# Altium PCB FanSystem-V3.0.PcbDoc (part 2 of 2)
Units mil, origin at the board's own origin, x right, y up, seen from the top; angles counter-clockwise.
Board outline 2755.91 x 2755.91 mil, 2 copper layers (Top Layer, Bottom Layer); 93 components, 71 nets, 315 pads, 124 vias.
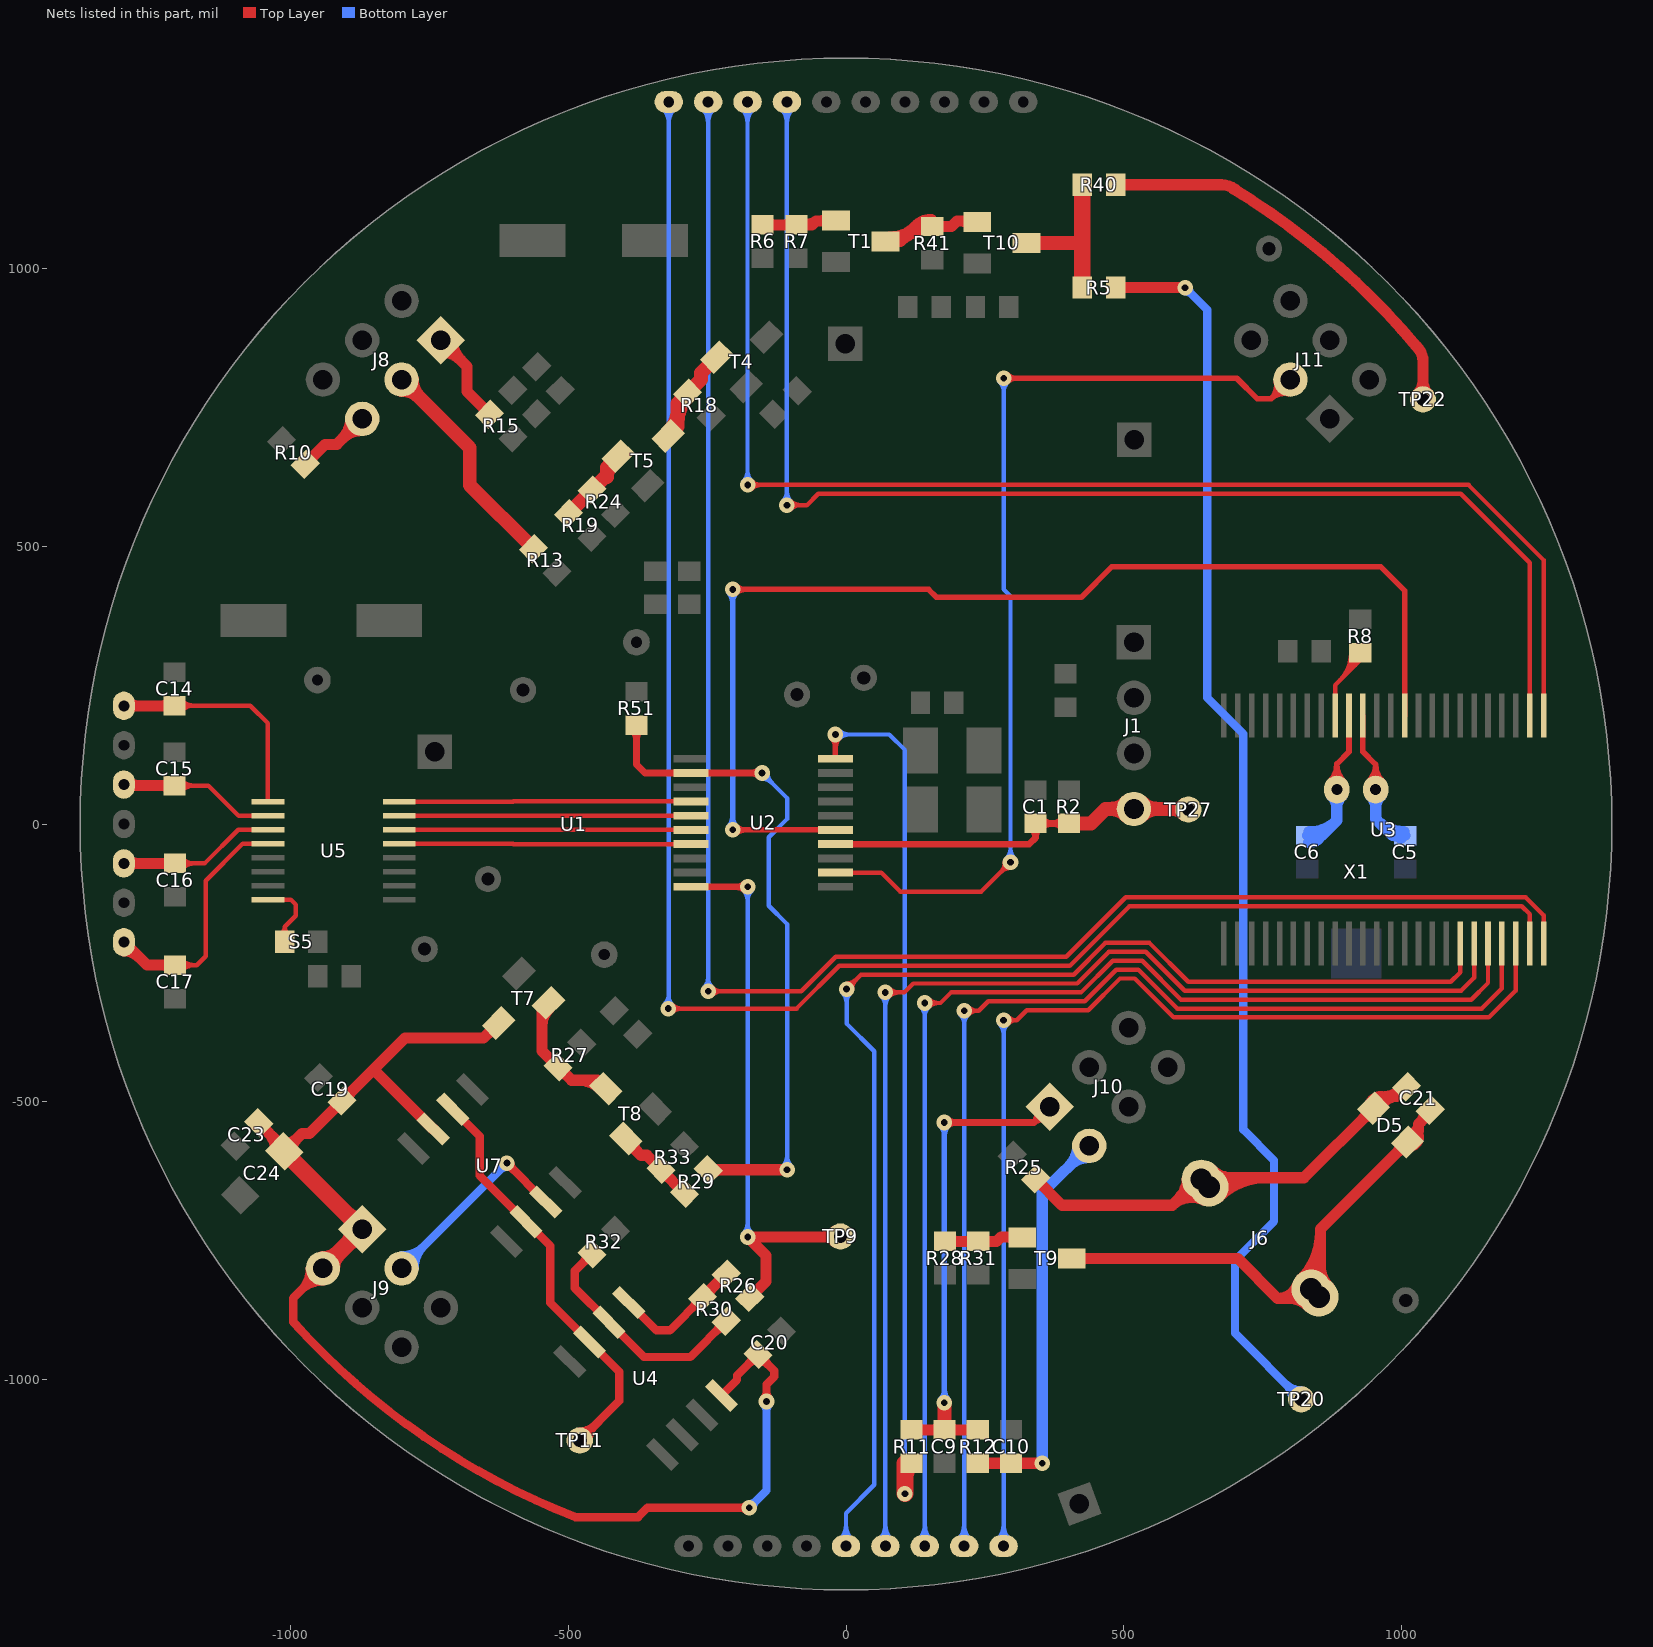
[diagram p2: the nets of this part, all layers, seen from the top]

## Via types
v1: diameter 28, hole 12, Top Layer to Bottom Layer, 124 vias

## Nets (pads, with @x,y where several pads share a name; then routed paths per layer and width w, separated by ;. In a path a pad name is that pad's centre, name@x,y a point inside that pad or via, vN(x,y) a via of type N, cw(c..) or ccw(c..) an arc to the next point about the centre after c; other vN are vias at no path point) (continued)
LCD_S6: U1.7 U3.2 | length 2531.9
  Top Layer w8: v1(-106.3,573.7) -70.3,573.7 -50,594 1106,594 1230,470 U3.2@1230,195 ; v1@-99.23,566.63 cw(c-82.16,549.56) -82.16,573.7 cw(c-82.16,597.84) v1@-99.23,580.77
  Bottom Layer w8: U1.7@-117.39,1288.12 cw(c-144.17,1261.35) -106.3,1261.35 cw(c-68.43,1261.35) U1.7@-95.21,1288.12 ; v1@-113.37,580.77 ccw(c-130.44,597.84) -106.3,597.84 ccw(c-82.16,597.84) v1@-99.23,580.77 ; v1(-106.3,573.7) U1.7@-106.3,1299.21
LCD_S7: U1.8 U3.1 | length 2592.5
  Top Layer w8: v1(-177,610) 1120,610 1255,475 U3.1@1255,195 ; v1@-169.93,602.93 cw(c-152.86,585.86) -152.86,610 cw(c-152.86,634.14) v1@-169.93,617.07
  Bottom Layer w8: U1.8@-188.26,1288.12 cw(c-215.03,1261.35) -177.17,1261.35 cw(c-139.3,1261.35) U1.8@-166.07,1288.12 ; v1@-184.07,617.07 ccw(c-200.74,633.74) -177.17,633.74 ; v1@-177.17,610 U1.8@-177.17,1299.21 ; -177.17,634.54 ccw(c-152.46,634.54) v1@-169.93,617.07
LCD_S8: U1.9 U3.48 | length 3372.6
  Top Layer w8: v1(-248.03,-301) -80.63,-301 -18.63,-239 396.24,-239 503.24,-132 1222.63,-132 1255,-164.37 U3.48@1255,-215 ; v1@-240.96,-308.07 cw(c-223.89,-325.14) -223.89,-301 cw(c-223.89,-276.86) v1@-240.96,-293.93
  Bottom Layer w8: U1.9@-259.12,1288.12 cw(c-285.9,1261.35) -248.03,1261.35 cw(c-210.16,1261.35) U1.9@-236.94,1288.12 ; v1@-255.1,-293.93 ccw(c-272.17,-276.86) -248.03,-276.86 ccw(c-223.89,-276.86) v1@-240.96,-293.93 ; v1(-248.03,-301) U1.9@-248.03,1299.21
LCD_S9: U1.10 U3.47 | length 3451.6
  Top Layer w8: v1(-320,-332) -89,-332 -12,-255 402.86,-255 509.86,-148 1216,-148 1230,-162 U3.47@1230,-215 ; v1@-312.93,-339.07 cw(c-295.86,-356.14) -295.86,-332 cw(c-295.86,-307.86) v1@-312.93,-324.93
  Bottom Layer w8: U1.10@-329.99,1288.12 cw(c-356.76,1261.35) -318.9,1261.35 cw(c-281.03,1261.35) U1.10@-307.81,1288.12 ; v1@-327.07,-324.93 ccw(c-346.8,-305.2) -318.9,-305.2 ; v1@-318.9,-332 U1.10@-318.9,1299.21 ; -318.9,-310.52 ccw(c-298.52,-310.52) v1@-312.93,-324.93
LCD_S10: U1.11 U3.46 | length 2166.3
  Top Layer w8: v1(283.46,-353) 307,-353 ; v1@290.66,-359.94 cw(c307,-375.69) 307,-353 ; v1@290.66,-346.06 ccw(c307,-330.31) 307,-353 ; U3.46@1205,-215 1205,-299.63 1156.63,-348 589.49,-348 519.49,-278 493,-278 436,-335 325,-335 307,-353
  Bottom Layer w8: U1.11@272.37,-1288.12 ccw(c245.6,-1261.35) 283.46,-1261.35 ccw(c321.33,-1261.35) U1.11@294.56,-1288.12 ; v1@276.39,-360.07 cw(c259.32,-377.14) 283.46,-377.14 cw(c307.61,-377.14) v1@290.54,-360.07 ; U1.11@283.46,-1299.21 v1(283.46,-353)
LCD_S11: U1.12 U3.45 | length 2221.5
  Top Layer w8: v1(212.6,-336) 239,-336 256,-319 429.37,-319 486.37,-262 526.12,-262 596.12,-332 1144,-332 1180,-296 U3.45@1180,-215 ; v1@219.67,-343.07 cw(c236.74,-360.14) 236.74,-336 cw(c236.74,-311.86) v1@219.67,-328.93
  Bottom Layer w8: U1.12@201.51,-1288.12 ccw(c174.73,-1261.35) 212.6,-1261.35 ccw(c250.47,-1261.35) U1.12@223.69,-1288.12 ; v1@205.53,-343.07 cw(c188.46,-360.14) 212.6,-360.14 cw(c236.74,-360.14) v1@219.67,-343.07 ; U1.12@212.6,-1299.21 v1(212.6,-336)
LCD_S12: U1.13 U3.44 | length 2269.7
  Top Layer w8: v1(141.73,-322) 170,-322 189,-303 422.75,-303 479.75,-246 532.75,-246 602.75,-316 1125,-316 1155,-286 U3.44@1155,-215 ; v1@148.8,-329.07 cw(c165.87,-346.14) 165.87,-322 cw(c165.87,-297.86) v1@148.8,-314.93
  Bottom Layer w8: U1.13@130.64,-1288.12 ccw(c103.87,-1261.35) 141.73,-1261.35 ccw(c179.6,-1261.35) U1.13@152.82,-1288.12 ; v1@134.66,-329.07 cw(c117.59,-346.14) 141.73,-346.14 cw(c165.87,-346.14) v1@148.8,-329.07 ; U1.13@141.73,-1299.21 v1(141.73,-322)
LCD_S13: U1.14 U3.43 | length 2321.2
  Top Layer w8: v1(70.87,-303) 105,-303 121,-287 416.12,-287 473.12,-230 539.37,-230 609.37,-300 1106.63,-300 1130,-276.63 U3.43@1130,-215 ; v1@77.94,-310.07 cw(c95.01,-327.14) 95.01,-303 cw(c95.01,-278.86) v1@77.94,-295.93
  Bottom Layer w8: U1.14@59.78,-1288.12 ccw(c33,-1261.35) 70.87,-1261.35 ccw(c108.73,-1261.35) U1.14@81.96,-1288.12 ; v1@63.8,-310.07 cw(c46.72,-327.14) 70.87,-327.14 cw(c95.01,-327.14) v1@77.94,-310.07 ; U1.14@70.87,-1299.21 v1(70.87,-303)
LCD_S14: U1.15 U3.42 | length 2405.8
  Top Layer w8: v1(1,-297) 27,-271 409.49,-271 466.49,-214 546,-214 616,-284 1088,-284 1105,-267 U3.42@1105,-215 ; v1@1,-287 ccw(c1,-262.86) 18.07,-279.93 ccw(c35.14,-297) v1@11,-297
  Bottom Layer w8: U1.15@-11.09,-1288.12 ccw(c-37.87,-1261.35) 0,-1261.35 ccw(c37.87,-1261.35) U1.15@11.09,-1288.12 ; v1@-6.07,-304.07 cw(c-23.14,-321.14) 1,-321.14 cw(c25.14,-321.14) v1@8.07,-304.07 ; U1.15@0,-1299.21 0,-1240 51,-1189 51,-409 1,-359 v1(1,-297)
LCD_WR: U2.5 U3.11 | length 2234.6
  Top Layer w10: v1(-204,-10.64) U2.5@-19,-10.64 ; v1(-204,422) 148.54,422 162.54,408 423.46,408 478.46,463 962,463 1005,420 U3.11@1005,195 ; v1@-197.64,-17 cw(c-182.27,-32.37) -182.27,-10.64 cw(c-182.27,11.09) v1@-197.64,-4.27 ; v1@-197.64,415.64 cw(c-182.27,400.27) -182.27,422 cw(c-182.27,443.73) v1@-197.64,428.36
  Bottom Layer w10: v1@-210.36,-4.27 ccw(c-225.73,11.09) -204,11.09 ccw(c-182.27,11.09) v1@-197.64,-4.27 ; v1@-210.36,415.64 cw(c-225.73,400.27) -204,400.27 cw(c-182.27,400.27) v1@-197.64,415.64 ; v1(-204,-10.64) v1(-204,422)
LED: J8.3 R13.1 | length 472.6
  Top Layer w25: J8.3@-799.64,781.14 cw(c-799.64,736.48) -768.06,768.06 cw(c-736.48,799.64) J8.3@-781.14,799.64 ; J8.3@-799.64,799.64 -677,677 -677,610 R13.1@-562.43,495.43
MG812_5V: C19.1 C20.1 C23.1 C24.A J9.1 J9.2 T7.D U4.8 U7.7 | length 3137.1
  Top Layer w15: -976.13,-915.96 cw(c0,0) -991.97,-898.78 ; J9.2@-964.57,-799.64 cw(c-1021.3,-799.64) -981.18,-839.76 cw(c-941.07,-879.88) J9.2@-941.07,-823.14 ; J9.2@-941.07,-799.64 -994.64,-853.22 -994.64,-896.1 -991.97,-898.78 ; U4.8@-223.97,-1028.03 -196,-1000.07 -196,-992 C20.1@-158.43,-954.43 -129,-983.85 -129,-994 -143,-1008 v1(-143,-1039) ; v1@-178.6,-1234.69 ccw(c-189.69,-1245.78) -189.69,-1230.09 ccw(c-189.69,-1214.4) v1@-178.6,-1225.5 ; v1(-174,-1230.09) -357,-1230.09 -373.87,-1246.96 -486.72,-1246.96 cw(c0,0) -991.97,-898.78 ; C20.1@-168.43,-954.43 cw(c-192.57,-954.43) -175.5,-971.5 cw(c-158.43,-988.57) C20.1@-158.43,-964.43 ; C20.1@-156.66,-966.19 cw(c-156.66,-990.34) -139.59,-973.27 cw(c-122.52,-956.19) C20.1@-146.66,-956.19 ; v1@-147.6,-1034.4 ccw(c-158.69,-1023.31) -143,-1023.31 ccw(c-127.31,-1023.31) v1@-138.4,-1034.4
  Top Layer w20: C23.1@-1056.57,-537.57 C24.A@-1011,-583.15 ; C23.1@-1054.81,-546.84 cw(c-1054.81,-564.95) -1042,-552.14 cw(c-1029.2,-539.34) C23.1@-1047.31,-539.34 ; -1039.78,-554.36 cw(c-1073.03,-587.61) C24.A@-1026.01,-587.61 ; C24.A@-1011,-589 -979,-557 -965.15,-557 C19.1@-906.57,-498.43 -793.15,-385 -652,-385 T7.D@-625,-358 ; C24.A@-1011,-575.38 ccw(c-1011,-542.49) -987.75,-565.75 ccw(c-964.49,-589) C24.A@-997.38,-589 ; C19.1@-915.84,-500.19 cw(c-933.95,-500.19) -921.14,-513 cw(c-908.34,-525.8) C19.1@-908.34,-507.69 ; C19.1@-904.81,-489.16 ccw(c-904.81,-471.05) -892,-483.86 ccw(c-879.2,-496.66) C19.1@-897.31,-496.66 ; -849.72,-441.57 U7.7@-742.68,-548.61 ; T7.D@-637.95,-362.95 cw(c-657.26,-362.95) -643.61,-376.61 cw(c-629.95,-390.26) T7.D@-629.95,-370.95
  Top Layer w30: C24.A@-1011,-589 -870.71,-729.29 J9.2@-941.07,-799.64 ; J9.2@-941.07,-783.64 ccw(c-941.07,-745.02) -913.75,-772.33 ccw(c-886.44,-799.64) J9.2@-925.07,-799.64 ; -898.88,-701.12 ccw(c-870.36,-672.59) J9.1@-870.36,-712.93 ; -897.17,-702.83 cw(c-923.27,-728.93) -886.36,-728.93 cw(c-924.98,-728.93) -897.67,-756.25 cw(c-870.36,-783.56) J9.1@-870.36,-744.93
  Bottom Layer w15: v1(-174,-1230.09) -143,-1199.09 v1(-143,-1039) ; v1@-174,-1223.59 ccw(c-174,-1207.9) -162.9,-1219 ccw(c-151.81,-1230.09) v1@-167.5,-1230.09 ; v1@-147.6,-1043.6 cw(c-158.69,-1054.69) -143,-1054.69 cw(c-127.31,-1054.69) v1@-138.4,-1043.6
MG812_ADC: R26.2 TP9.1 U2.20 | length 1218.8
  Top Layer w12: U2.20@-278.84,-113 v1(-177,-113) ; v1@-182.66,-118.66 ccw(c-196.31,-132.31) -196.31,-113 ccw(c-196.31,-93.69) v1@-182.66,-107.34
  Top Layer w20: R26.2@-173,-852 -144,-823 -144,-776 v1(-177,-743) TP9.1@-11,-743 ; R26.2@-171.23,-842.73 ccw(c-171.23,-824.63) -158.43,-837.43 ccw(c-145.63,-850.23) R26.2@-163.73,-850.23 ; -45.3,-743 ccw(c-45.3,-706.7) TP9.1@-19.63,-732.37 ; -40.47,-743 cw(c-40.47,-772.47) TP9.1@-19.63,-751.63
  Bottom Layer w8: v1@-184.07,-735.93 ccw(c-201.14,-718.86) -177,-718.86 ccw(c-152.86,-718.86) v1@-169.93,-735.93 ; v1@-184.07,-120.07 cw(c-201.14,-137.14) -177,-137.14 cw(c-152.86,-137.14) v1@-169.93,-120.07 ; v1(-177,-743) -177,-555 v1(-177,-113)
MG812_SIG: J9.3 U7.3 | length 505.6
  Top Layer w15: v1@-610.29,-610.29 U7.3@-540.29,-680.29 ; v1@-610,-616.5 cw(c-610,-630.8) -599.89,-620.69 ; v1@-603.5,-610 ccw(c-586.41,-610) -598.49,-622.08
  Bottom Layer w15: J9.3@-799.64,-799.64 v1(-610,-610) ; J9.3@-799.64,-776.14 ccw(c-799.64,-719.41) -759.53,-759.53 ccw(c-719.41,-799.64) J9.3@-776.14,-799.64 ; v1@-616.5,-610 cw(c-632.19,-610) -621.1,-621.1 cw(c-610,-632.19) v1@-610,-616.5
MG812_VDD_EN: R29.2 R51.1 U2.12 | length 1373.8
  Top Layer w12: R51.1@-385.13,169.87 cw(c-404.76,150.24) -377,150.24 cw(c-349.24,150.24) R51.1@-368.87,169.87 ; R51.1@-377,178 -377,107 -361.72,91.72 U2.12@-278.84,91.72 v1(-151,91.72) ; v1@-156.66,86.07 ccw(c-170.31,72.41) -170.31,91.72 ccw(c-170.31,111.04) v1@-156.66,97.38
  Top Layer w20: R29.2@-248,-622 v1(-106,-622) ; R29.2@-240.93,-629.07 cw(c-223.86,-646.14) R29.2@-223.86,-622
  Bottom Layer w8: v1@-151,81.72 cw(c-151,57.58) -133.93,74.65 cw(c-116.86,91.72) v1@-141,91.72 ; v1(-151,91.72) -106,46.72 -106,9 -139,-24 -139,-147 -106,-180 v1(-106,-622) ; v1@-113.07,-614.93 ccw(c-130.14,-597.86) -106,-597.86 ccw(c-81.86,-597.86) v1@-98.93,-614.93
MOTOR_DAC_OUT: C10.2 J10.2 R12.2 | length 887
  Top Layer w20: R12.2@237,-1150 v1(353,-1150) ; R12.2@244.8,-1155.3 cw(c257.61,-1168.11) 257.61,-1150 cw(c257.61,-1131.89) R12.2@244.8,-1144.7 ; C10.2@289.2,-1155.3 ccw(c276.39,-1168.11) 276.39,-1150 ccw(c276.39,-1131.89) C10.2@289.2,-1144.7 ; C10.2@304.8,-1155.3 cw(c317.61,-1168.11) 317.61,-1150 cw(c317.61,-1131.89) C10.2@304.8,-1144.7
  Bottom Layer w20: v1(353,-1150) 353,-663.71 J10.2@437.64,-579.07 ; J10.2@416.64,-579.07 cw(c365.95,-579.07) 401.8,-614.92 cw(c437.64,-650.76) J10.2@437.64,-600.07
MOTOR_PWM: R11.1 U2.10 | length 1713.5
  Top Layer w10: v1@-25.36,154.64 cw(c-40.73,139.27) -19,139.27 cw(c2.73,139.27) v1@-12.64,154.64 ; U2.10@-19,117.31 v1(-19,161)
  Top Layer w30: v1(106,-1205) R11.1@106,-1150 ; 106,-1178.97 cw(c144.47,-1178.97) R11.1@117.27,-1151.77
  Bottom Layer w8: v1(-19,161) 78,161 106,133 v1(106,-1205) ; v1@-11.93,153.93 cw(c5.14,136.86) 5.14,161 cw(c5.14,185.14) v1@-11.93,168.07 ; v1@98.93,-1197.93 ccw(c81.86,-1180.86) 106,-1180.86 ccw(c130.14,-1180.86) v1@113.07,-1197.93
MOTOR_PWM_OUT: C9.2 J10.1 R11.2 R12.1 | length 1131.1
  Top Layer w12: v1(177,-537) 338.29,-537 ; v1@182.66,-542.66 cw(c196.31,-556.31) 196.31,-537 cw(c196.31,-517.69) v1@182.66,-531.34 ; J10.1@343.21,-516.23 cw(c323.92,-522.63) 338.29,-537 ; J10.1@359.06,-532.08 ccw(c352.66,-551.37) 338.29,-537 ; J10.1@366.93,-508.36 338.29,-537
  Top Layer w20: R11.2@118,-1090 C9.2@177,-1090 R12.1@237,-1090 ; R11.2@125.8,-1095.3 cw(c138.61,-1108.11) 138.61,-1090 cw(c138.61,-1071.89) R11.2@125.8,-1084.7 ; C9.2@169.2,-1095.3 ccw(c156.39,-1108.11) 156.39,-1090 ccw(c156.39,-1071.89) C9.2@169.2,-1084.7 ; C9.2@184.8,-1095.3 cw(c197.61,-1108.11) 197.61,-1090 cw(c197.61,-1071.89) C9.2@184.8,-1084.7 ; R12.1@229.2,-1095.3 ccw(c216.39,-1108.11) 216.39,-1090 ccw(c216.39,-1071.89) R12.1@229.2,-1084.7
  Top Layer w25: C9.2@177,-1090 v1(177,-1041)
  Bottom Layer w10: v1@170.64,-1034.64 ccw(c155.27,-1019.27) 177,-1019.27 ccw(c198.73,-1019.27) v1@183.36,-1034.64 ; v1@170.64,-543.36 cw(c155.27,-558.73) 177,-558.73 cw(c198.73,-558.73) v1@183.36,-543.36 ; v1(177,-1041) v1(177,-537)
NetC5_2: C5.2 U3.14 X1.1 | length 459
  Top Layer w10: U3.14@930,195 930,130 953,107 ; X1.1@940.37,76.82 ccw(c910.64,107) 953,107 ; X1.1@953,62 953,107 ; X1.1@965.63,76.82 cw(c995.36,107) 953,107
  Bottom Layer w20: X1.1@943.81,50.81 cw(c921.61,28.62) 953,28.62 cw(c984.38,28.62) X1.1@962.19,50.81 ; X1.1@953,62 953,9 983,-21 C5.2@1006,-21 ; 955.7,6.3 ccw(c1003.5,54.1) C5.2@1003.5,-13.5 ; C5.2@998.2,-26.3 ccw(c985.39,-39.11) 985.39,-21 ccw(c985.39,-2.89) C5.2@998.2,-15.7
NetC6_2: C6.2 U3.15 X1.2 | length 484.6
  Top Layer w10: X1.2@870.27,76.73 ccw(c839.54,107.46) 883,107.46 ccw(c926.46,107.46) X1.2@895.73,76.73 ; X1.2@883,62 883,108 905,130 U3.15@905,195
  Bottom Layer w20: C6.2@830,-21 856,-21 883,6 ; C6.2@831.95,-33.49 ccw(c833.06,-8.33) 850.86,-26.14 ; C6.2@832.83,-13.51 ccw(c835.75,53.24) 883,6 ; C6.2@837.8,-26.3 cw(c850.61,-39.11) 850.61,-21 cw(c850.61,-2.89) C6.2@837.8,-15.7 ; X1.2@873.81,50.81 cw(c851.61,28.62) 883,28.62 cw(c914.38,28.62) X1.2@892.19,50.81 ; X1.2@883,62 883,6
NetC21_1: C21.1 D5.K J6.1 R25.1 | length 1607.3
  Top Layer w20: R25.1@341.43,-645.93 cw(c341.43,-664.03) 354.23,-651.23 cw(c367.03,-638.43) R25.1@348.93,-638.43 ; R25.1@341.43,-638.43 389,-686 586.86,-686 ; 599.52,-673.5 cw(c633.3,-692.77) J6.1@650.7,-657.99 ; 599.73,-673.12 ccw(c565.82,-639.21) J6.1@613.78,-639.21 ; 607.07,-665.79 cw(c634.48,-693.2) J6.1@650.84,-658.06 ; J6.1@609.99,-655.15 cw(c642.76,-673.85) J6.1@659.65,-640.1 ; 613.36,-671.29 cw(c622.26,-705.61) J6.1@640.24,-675.05 ; J6.1@639.01,-664.64 ccw(c638.42,-737.55) 586.86,-686 ; J6.1@642.4,-676.19 ccw(c621.64,-720.78) 586.86,-686 ; J6.1@656.97,-656.97 cw(c706.57,-706.57) 706.57,-636.43 ; J6.1@657.2,-657.2 cw(c707.33,-707.33) 707.33,-636.43 ; J6.1@657.2,-621.23 ccw(c693.89,-584.53) 693.89,-636.43 ; J6.1@671.12,-671.12 cw(c754.86,-754.86) 754.86,-636.43 ; D5.K@937.44,-513.25 cw(c913.3,-513.25) 930.37,-530.32 cw(c947.44,-547.4) D5.K@947.44,-523.25 ; D5.K@941.41,-506.79 cw(c964.11,-513.74) 964.11,-490 ; D5.K@950.97,-499.72 ccw(c950.97,-475.58) 968.04,-492.65 ccw(c985.12,-509.72) D5.K@960.97,-509.72 ; D5.K@960.54,-512.64 cw(c991.15,-522.01) 991.15,-490 ; C21.1@999.31,-474.34 cw(c981.2,-474.34) 994,-487.14 cw(c1006.81,-499.95) C21.1@1006.81,-481.84 ; C21.1@999.99,-471.21 cw(c970.69,-457.76) 970.69,-490 ; C21.1@1008.57,-472.57 991.15,-490 ; 586.86,-686 636.43,-636.43 824.26,-636.43 D5.K@949.21,-511.49 970.69,-490 ; 970.69,-490 991.15,-490
NetC21_2: C21.2 D5.A J6.2 T9.3 | length 1489.1
  Top Layer w20: T9.3@406,-782 705,-782 776.57,-853.57 ; T9.3@418.66,-787.66 cw(c432.31,-801.31) 432.31,-782 cw(c432.31,-762.69) T9.3@418.66,-776.34 ; 782.67,-853.57 ccw(c782.67,-782.67) 832.8,-832.8 ccw(c782.67,-782.67) 853.57,-782.67 ; 796.11,-853.57 cw(c796.11,-905.47) J6.2@832.8,-868.77 ; 805.19,-853.57 ccw(c805.19,-825.27) J6.2@831.77,-835 ; J6.2@812.98,-828.13 cw(c776.57,-814.8) 776.57,-853.57 ; J6.2@818.88,-818.88 ccw(c735.14,-735.14) 853.57,-735.14 ; J6.2@833.03,-833.03 ccw(c783.43,-783.43) 853.57,-783.43 ; J6.2@853.57,-853.57 776.57,-853.57 ; J6.2@853.57,-835.26 853.57,-728.74 D5.A@1010.02,-572.3 1030,-552.31 1030,-540 ; 853.57,-796.11 ccw(c905.47,-796.11) J6.2@868.77,-832.8 ; D5.A@998.25,-574.06 cw(c974.11,-574.06) 991.18,-591.14 cw(c1008.25,-608.21) D5.A@1008.25,-584.06 ; D5.A@1011,-560.56 ccw(c1009.38,-540) 1030,-540 ; D5.A@1011.78,-560.53 ccw(c1011.78,-536.39) 1028.86,-553.46 ccw(c1045.93,-570.53) D5.A@1021.78,-570.53 ; D5.A@1012.57,-580.5 ccw(c1011.08,-561.64) D5.A@1030,-561.64 ; 1033.6,-536.4 ccw(c1013.97,-516.77) C21.2@1041.73,-516.77 ; C21.2@1051,-515 1051,-519 1030,-540
NetR5_1: R5.1 TP20.1 | length 2383.8
  Top Layer w20: R5.1@485,965 v1(610,965) ; R5.1@490.3,959.7 cw(c503.11,946.89) 503.11,965 cw(c503.11,983.11) R5.1@490.3,970.3
  Bottom Layer w15: v1@610,958.5 cw(c610,942.81) 621.1,953.9 cw(c632.19,965) v1@616.5,965 ; v1(610,965) 650,925 650,227 715,162 715,-550 770,-605 770,-715 700,-785 700,-916 TP20.1@819,-1035 ; TP20.1@802.88,-1035 ccw(c763.96,-1035) 791.48,-1007.48 ccw(c819,-979.96) TP20.1@819,-1018.88
NetR5_2: R5.2 R40.2 T10.D | length 285
  Top Layer w25: T10.D@325,1045 425,1045
  Top Layer w30: R5.2@425,965 425,1045 R40.2@425,1150
NetR6_2: R6.2 R7.2 T1.1 | length 268.9
  Top Layer w20: R6.2@-150,1078 R7.2@-89,1078 -61,1078 -54,1085 ; R6.2@-142.2,1072.7 cw(c-129.39,1059.89) -129.39,1078 cw(c-129.39,1096.11) R6.2@-142.2,1083.3 ; R7.2@-96.8,1072.7 ccw(c-109.61,1059.89) -109.61,1078 ccw(c-109.61,1096.11) R7.2@-96.8,1083.3 ; R7.2@-81.69,1083.76 ccw(c-68.53,1099.53) -54,1085 ; R7.2@-81.2,1072.7 cw(c-68.39,1059.89) -68.39,1078 cw(c-68.39,1096.11) R7.2@-81.2,1083.3 ; -46.73,1085 ccw(c-46.73,1107.73) T1.1@-30.66,1091.66 ; T1.1@-18,1086 -19,1085 -54,1085
NetR8_2: R8.2 U3.16 | length 251.1
  Top Layer w8: U3.16@880,195 880,250 925,295 R8.2@925,308 cw(c893.61,308) 915.81,285.81 ; 888.49,258.49 ccw(c838.99,308) R8.2@909,308 ; 902.15,272.15 ccw(c866.3,308) R8.2@917,308
NetR18_2: R18.2 T4.G T5.3 | length 300.7
  Top Layer w25: T5.3@-320,698 -303,715 -303,757 R18.2@-285,775 -285,776 -261,800 -261,811.74 T4.G@-232.8,839.94 ; T5.3@-318.94,706.84 ccw(c-357.42,745.32) -303,745.32 ; -303,721.97 cw(c-235.51,721.97) R18.2@-283.23,769.7 ; -303,750.28 cw(c-284.97,750.28) R18.2@-286.38,768.25
NetR19_1: R19.1 R24.2 T5.1 | length 200
  Top Layer w25: R19.1@-499.43,558.43 -499.43,558.57 R24.2@-457,601 -430,628 -430,641.74 T5.1@-409.8,661.94 ; -430,624.24 cw(c-399.28,624.24) T5.1@-412.4,652.02 ; -430,635.42 cw(c-413.92,635.42) T5.1@-414.54,651.49
NetR26_1: R26.1 R30.2 U4.1 | length 333.1
  Top Layer w15: U4.1@-391,-861 -341,-911 -317,-911 R30.2@-258,-852 ; R30.2@-269.77,-853.77 cw(c-293.91,-853.77) -276.84,-870.84 cw(c-259.77,-887.91) R30.2@-259.77,-863.77
  Top Layer w20: R30.2@-258,-852 -215.57,-809.57 R26.1@-215.43,-809.57 ; R30.2@-256.23,-842.73 ccw(c-256.23,-824.63) -243.43,-837.43 ccw(c-230.63,-850.23) R30.2@-248.73,-850.23 ; -230.25,-824.25 cw(c-217.19,-837.3) R26.1@-217.19,-818.84 ; -229.89,-823.89 ccw(c-242.45,-811.34) R26.1@-224.69,-811.34
NetR27_2: R27.2 T7.G T8.3 | length 366.7
  Top Layer w20: -547,-362.75 cw(c-504.29,-362.75) T7.G@-534.49,-332.54 ; T7.G@-535.2,-321.94 -547,-333.74 -547,-408 R27.2@-518,-437 -494,-461 -447,-461 T8.3@-432,-476 ; R27.2@-527.27,-435.23 ccw(c-545.37,-435.23) -532.57,-422.43 ccw(c-519.77,-409.63) R27.2@-519.77,-427.73 ; R27.2@-516.23,-446.27 cw(c-516.23,-464.37) -503.43,-451.57 cw(c-490.63,-438.77) R27.2@-508.73,-438.77 ; -480.53,-461 cw(c-480.53,-514.63) T8.3@-442.61,-476.71
NetR28_2: R28.2 R31.2 T9.1 | length 245.9
  Top Layer w20: R28.2@178,-751 R31.2@238,-751 271,-751 279,-743 316,-743 T9.1@317,-744 ; R28.2@185.8,-756.3 cw(c198.61,-769.11) 198.61,-751 cw(c198.61,-732.89) R28.2@185.8,-745.7 ; R31.2@230.2,-756.3 ccw(c217.39,-769.11) 217.39,-751 ccw(c217.39,-732.89) R31.2@230.2,-745.7 ; R31.2@245.8,-756.3 cw(c258.61,-769.11) 258.61,-751 cw(c258.61,-732.89) R31.2@245.8,-745.7 ; 288.27,-743 cw(c288.27,-765.73) T9.1@304.34,-749.66
NetR29_1: R29.1 R33.2 T8.1 | length 242.8
  Top Layer w20: T8.1@-395.94,-565.8 -395.94,-569.06 -369,-596 -358,-596 R33.2@-333,-621 -333,-621.85 R29.1@-290.43,-664.43 ; T8.1@-382.99,-570.75 ccw(c-355.8,-570.75) -375.03,-589.97 ; R33.2@-342.27,-619.23 ccw(c-360.37,-619.23) -347.57,-606.43 ccw(c-334.77,-593.63) R33.2@-334.77,-611.73 ; R33.2@-323.73,-622.77 ccw(c-303.57,-622.77) -317.83,-637.03 ; R29.1@-299.69,-662.66 ccw(c-317.8,-662.66) -305,-649.86 ccw(c-292.19,-637.05) R29.1@-292.19,-655.16
NetR30_1: R30.1 R32.2 U4.2 | length 501.1
  Top Layer w15: R32.2@-467,-773 cw(c-491.14,-773) -474.07,-790.07 cw(c-457,-807.14) R32.2@-457,-783 ; R32.2@-457,-773 -488,-804 -488,-834.71 U4.2@-426.36,-896.36 -363.71,-959 -280.15,-959 R30.1@-215.57,-894.43 ; R30.1@-227.34,-896.19 cw(c-251.48,-896.19) -234.41,-913.27 cw(c-217.34,-930.34) R30.1@-217.34,-906.19
NetR40_1: R40.1 TP22.1 | length 870.1
  Top Layer w20: R40.1@485,1150 675.7,1150 cw(c675.7,1108.43) 705.1,1137.82 ; R40.1@490.3,1144.7 cw(c503.11,1131.89) 503.11,1150 cw(c503.11,1168.11) R40.1@490.3,1155.3 ; 724.85,1125.35 ccw(c0,0) 705.1,1137.82 ; 1025.86,859.89 ccw(c0,0) 696.79,1142.93 cw(c0,0) 705.1,1137.82 ; 1026.98,858.55 cw(c0,0) 1027.09,858.42 cw(c1000.76,832.09) 1038,832.09 TP22.1@1038,764 ; TP22.1@1028.37,773.63 ccw(c1005.11,796.89) 1038,796.89 ccw(c1070.89,796.89) TP22.1@1047.63,773.63
NetR41_2: R41.2 T1.3 T10.G | length 427.9
  Top Layer w20: T1.3@71,1048 98,1048 ; T1.3@78.12,1056 ccw(c79.11,1120.88) 125,1075 ; T1.3@83.66,1042.34 cw(c97.31,1028.69) 97.31,1048 cw(c97.31,1067.31) T1.3@83.66,1053.66 ; 128.25,1078.25 cw(c150.77,1055.72) R41.2@153.62,1087.45 ; R41.2@147.2,1069.7 ccw(c134.39,1056.89) 134.39,1075 ccw(c134.39,1093.11) R41.2@147.2,1080.3 ; R41.2@151.83,1067.53 ccw(c145.8,1000.2) 98,1048 ; R41.2@162.8,1069.7 cw(c175.61,1056.89) 175.61,1075 cw(c175.61,1093.11) R41.2@162.8,1080.3 ; 204.86,1085 cw(c204.86,1058.86) T10.G@223.34,1077.34 ; T10.G@236,1083 234,1085 200,1085 190,1075 R41.2@155,1075 125,1075 ; 98,1048 125,1075
NetS5_2: S5.2 U5.8 | length 160
  Top Layer w8: U5.8@-1040,-136.38 -998.62,-136.38 -990,-145 -990,-165 -1010,-185 ; S5.2@-1017.21,-198.09 ccw(c-1025.48,-185) -1010,-185 ; S5.2@-1010,-212 -1010,-185 ; S5.2@-1002.79,-198.09 cw(c-994.52,-185) -1010,-185
NetTP11_1: TP11.1 U4.3 U7.2 U7.6 | length 810.3
  Top Layer w15: U7.6@-707.32,-513.26 -659,-561.58 -659,-632.29 U7.2@-575.64,-715.64 -532,-759.29 -532,-861.42 U4.3@-461.71,-931.71 -408,-985.42 -408,-1038 TP11.1@-479,-1109 ; TP11.1@-479,-1092.88 ccw(c-479,-1053.96) -451.48,-1081.48 ccw(c-423.96,-1109) TP11.1@-462.88,-1109
RESET: C1.2 J1.4 R2.1 TP27.1 U2.4 | length 984.5
  Top Layer w12: U2.4@-19,-36.23 329.77,-36.23 341,-25 ; C1.2@333.26,-7.51 cw(c317.36,-25) 341,-25 ; C1.2@348.74,-7.51 ccw(c364.64,-25) 341,-25 ; C1.2@351.63,-7.13 cw(c371.26,-26.76) 371.26,1 cw(c371.26,28.76) C1.2@351.63,9.13 ; R2.1@390.37,-7.13 ccw(c370.74,-26.76) 370.74,1 ccw(c370.74,28.76) R2.1@390.37,9.13 ; R2.1@401,1 C1.2@341,1 341,-25
  Top Layer w25: R2.1@401,1 441,1 467,27 J1.4@518,27 TP27.1@615,27 ; J1.4@504.92,13.92 ccw(c473.34,-17.66) 473.34,27 ccw(c473.34,71.66) J1.4@504.92,40.08 ; J1.4@531.08,13.92 cw(c562.66,-17.66) 562.66,27 cw(c562.66,71.66) J1.4@531.08,40.08 ; 586.73,27 cw(c586.73,-3.27) TP27.1@608.14,18.14 ; 591.56,27 ccw(c591.56,50.44) TP27.1@608.14,33.86
TOUCH_+: C14.2 U1.26 U5.1 | length 516.3
  Top Layer w8: C14.2@-1208,213 -1072,213 -1040,181 U5.1@-1040,40 ; C14.2@-1195.95,203.45 cw(c-1172.91,180.41) -1172.91,213 cw(c-1172.91,245.59) C14.2@-1195.95,222.55
  Top Layer w20: U1.26@-1299.21,212.6 C14.2@-1208.4,212.6 ; U1.26@-1292.36,205.75 cw(c-1275.83,189.22) -1275.83,212.6 cw(c-1275.83,235.98) U1.26@-1292.36,219.45 ; -1229.58,212.6 ccw(c-1229.58,232.08) C14.2@-1215.8,218.3
TOUCH_-: C16.2 U1.22 U5.3 | length 400.5
  Top Layer w8: C16.2@-1207,-71 -1154,-71 -1093.39,-10.39 U5.3@-1040,-10.39 ; C16.2@-1194.95,-80.55 cw(c-1171.91,-103.59) -1171.91,-71 cw(c-1171.91,-38.41) C16.2@-1194.95,-61.45
  Top Layer w20: U1.22@-1299.08,-71 C16.2@-1207,-71 ; U1.22@-1292.36,-77.71 cw(c-1276.15,-93.92) -1276.15,-71 ; U1.22@-1292.36,-64.02 ccw(c-1275.51,-47.16) -1275.51,-71 ; C16.2@-1214.8,-76.3 ccw(c-1227.61,-89.11) -1227.61,-71 ccw(c-1227.61,-52.89) C16.2@-1214.8,-65.7
TOUCH_MODE: C17.2 U1.20 U5.4 | length 555.7
  Top Layer w8: C17.2@-1207,-254 -1168,-254 -1152,-238 -1152,-102 -1085.59,-35.59 U5.4@-1040,-35.59 ; C17.2@-1194.95,-263.55 cw(c-1171.91,-286.59) -1171.91,-254 cw(c-1171.91,-221.41) C17.2@-1194.95,-244.45
  Top Layer w20: U1.20@-1299.21,-228.19 cw(c-1299.21,-265.83) -1272.6,-239.21 ; U1.20@-1299.21,-212.6 -1257.81,-254 C17.2@-1207,-254 ; C17.2@-1214.8,-259.3 ccw(c-1227.61,-272.11) -1227.61,-254 ccw(c-1227.61,-235.89) C17.2@-1214.8,-248.7
TOUCH_POWER: C15.2 U1.24 U5.2 | length 382.8
  Top Layer w8: C15.2@-1208,69 -1147,69 -1092.8,14.8 U5.2@-1040,14.8 ; C15.2@-1195.95,59.45 cw(c-1172.91,36.41) -1172.91,69 cw(c-1172.91,101.59) C15.2@-1195.95,78.55
  Top Layer w20: U1.24@-1297.35,69 C15.2@-1208,69 ; U1.24@-1292.36,77.71 ccw(c-1271.33,98.75) -1271.33,69 ; C15.2@-1215.8,63.7 ccw(c-1228.61,50.89) -1228.61,69 ccw(c-1228.61,87.11) C15.2@-1215.8,74.3
TTP224_OUT_0: U2.14 U5.16 | length 536.5
  Top Layer w8: U5.16@-803.78,40 -599,40 -598.46,40.54 U2.14@-278.84,40.54 ; U2.14@-305.46,38.42 ccw(c-310.58,33.3) -310.58,40.54 ccw(c-310.58,47.79) U2.14@-305.46,42.66
TTP224_OUT_1: U2.15 U5.15 | length 536.4
  Top Layer w8: U5.15@-803.78,14.8 -599,14.8 -598.85,14.95 U2.15@-278.84,14.95 ; U2.15@-305.46,12.83 ccw(c-310.58,7.71) -310.58,14.95 ccw(c-310.58,22.2) U2.15@-305.46,17.07
TTP224_OUT_2: U2.16 U5.14 | length 536.4
  Top Layer w8: U5.14@-803.78,-10.39 -599,-10.39 -598.76,-10.64 U2.16@-278.84,-10.64 ; U2.16@-305.46,-12.76 ccw(c-310.58,-17.88) -310.58,-10.64 ccw(c-310.58,-3.4) U2.16@-305.46,-8.52
TTP224_OUT_3: U2.17 U5.13 | length 536.6
  Top Layer w8: U5.13@-803.78,-35.59 -599,-35.59 -598.36,-36.23 U2.17@-278.84,-36.23 ; U2.17@-305.46,-38.35 ccw(c-310.58,-43.47) -310.58,-36.23 ccw(c-310.58,-28.99) U2.17@-305.46,-34.11
UART_TX: J11.3 U2.2 | length 1996.6
  Top Layer w8: U2.2@-19,-87.41 63.41,-87.41 98,-122 243,-122 v1(296,-69) ; U2.2@7.62,-89.53 cw(c12.74,-94.65) 12.74,-87.41 cw(c12.74,-80.17) U2.2@7.62,-85.29 ; v1@286,-69 cw(c261.86,-69) 278.93,-86.07 cw(c296,-103.14) v1@296,-79
  Top Layer w10: v1(284,802) 703,802 740,765 765,765 ; v1@290.36,795.64 cw(c305.73,780.27) 305.73,802 cw(c305.73,823.73) v1@290.36,808.36 ; J11.3@774.11,794.72 cw(c741.55,788.45) 765,765 ; J11.3@794.72,774.11 ccw(c788.45,741.55) 765,765 ; J11.3@799.64,799.64 765,765
  Bottom Layer w8: v1@276.93,794.93 cw(c259.86,777.86) 284,777.86 cw(c308.14,777.86) v1@291.07,794.93 ; v1(284,802) 284,422 296,410 v1(296,-69) ; v1@288.93,-61.93 ccw(c271.86,-44.86) 296,-44.86 ccw(c320.14,-44.86) v1@303.07,-61.93
V-LED: J8.5 R10.2 | length 244.7
  Top Layer w20: R10.2@-973,647 -937,683 -916.29,683 J8.5@-870.36,728.93 ; R10.2@-971.23,656.27 ccw(c-971.23,674.37) -958.43,661.57 ccw(c-945.63,648.77) R10.2@-963.73,648.77 ; J8.5@-891.36,728.93 cw(c-942.05,728.93) -906.2,693.08 cw(c-870.36,657.24) J8.5@-870.36,707.93
VO: J8.1 R15.1 | length 277.3
  Top Layer w20: J8.1@-728.93,849.36 cw(c-728.93,798.66) -693.08,834.51 cw(c-657.24,870.36) J8.1@-707.93,870.36 ; J8.1@-728.93,870.36 -682,823.42 -682,778 R15.1@-641.43,737.43 ; R15.1@-648.93,737.43 ccw(c-667.03,737.43) -654.23,750.23 ccw(c-641.43,763.03) R15.1@-641.43,744.93
pads on no net: J8.6 J9.4 J9.6 J10.4 J10.5 J10.6 U1.21 U1.23 U1.25 U3.10 U3.18 U3.20 U3.25 U3.26 U3.27 U3.28 U3.29 U3.30 U3.31 U3.32 U3.33 U3.34 U3.35 U3.36 U3.37 U3.38 U3.39 U3.40 U3.41 U4.5 U4.6 U4.7 U5.5 U5.7 U5.9 U5.11 U5.12 U7.1 U7.5 U7.8 X1.

## Polygon pours and split planes (outlines as drawn)
GND on Bottom Layer "Bottom Layer-No Net" (solid, remove dead copper, pour order 6): -1500,1500 1500,1500 1500,-1500 -1500,-1500 -1500,1500
GND on Top Layer "Bottom Layer-No Net" (solid, remove dead copper, pour order 8): -1500,1500 1500,1500 1500,-1500 -1475,-1500 -1500,-1475 -1500,1500

## Keep-outs
Keep-Out Layer:
  circle w1: c0,0 r1377.95

## Other copper
Top Layer:
  region net 5V: 24,85 60,85 108,103 108,172
  region net ICPDA: 23,72 59,72 107,54 107,-15
  region net 5V: 855,210 872,291 838,291

## Silkscreen, mask and mechanical layers (free items; w line width, h text height)
Top Overlay:
  text "GND" at 65,839 h60
  text "GND" at 630,750 h50 r45
  text "TX" at 725,710 h50 r45
  text "5V" at 925,648 h50 r45
  text "1" at 510,397 h50
  text "VCC" at 590,315 h50
  text "GND" at -673,112 h60
  text "FanSystem V3.0" at -269,-453 h80
  text "5V" at -936,-693 h50 r45
  text "SIG" at -766,-723 h50 r315
  text "GND" at -690,-800 h50 r315
  text "GND" at 500,-1240 h60 r25
Bottom Overlay:
  text "+" at 1030,790 h100
  text "+" at 882,-1031 h100

## Text inside footprints (layer, text, board x,y; h text height)
J6: Top Overlay "+" at 660.15,-709.64 h118.11 r315